# KiCad board RX8-7(WithoutOpAmps).kicad_pcb (continued)
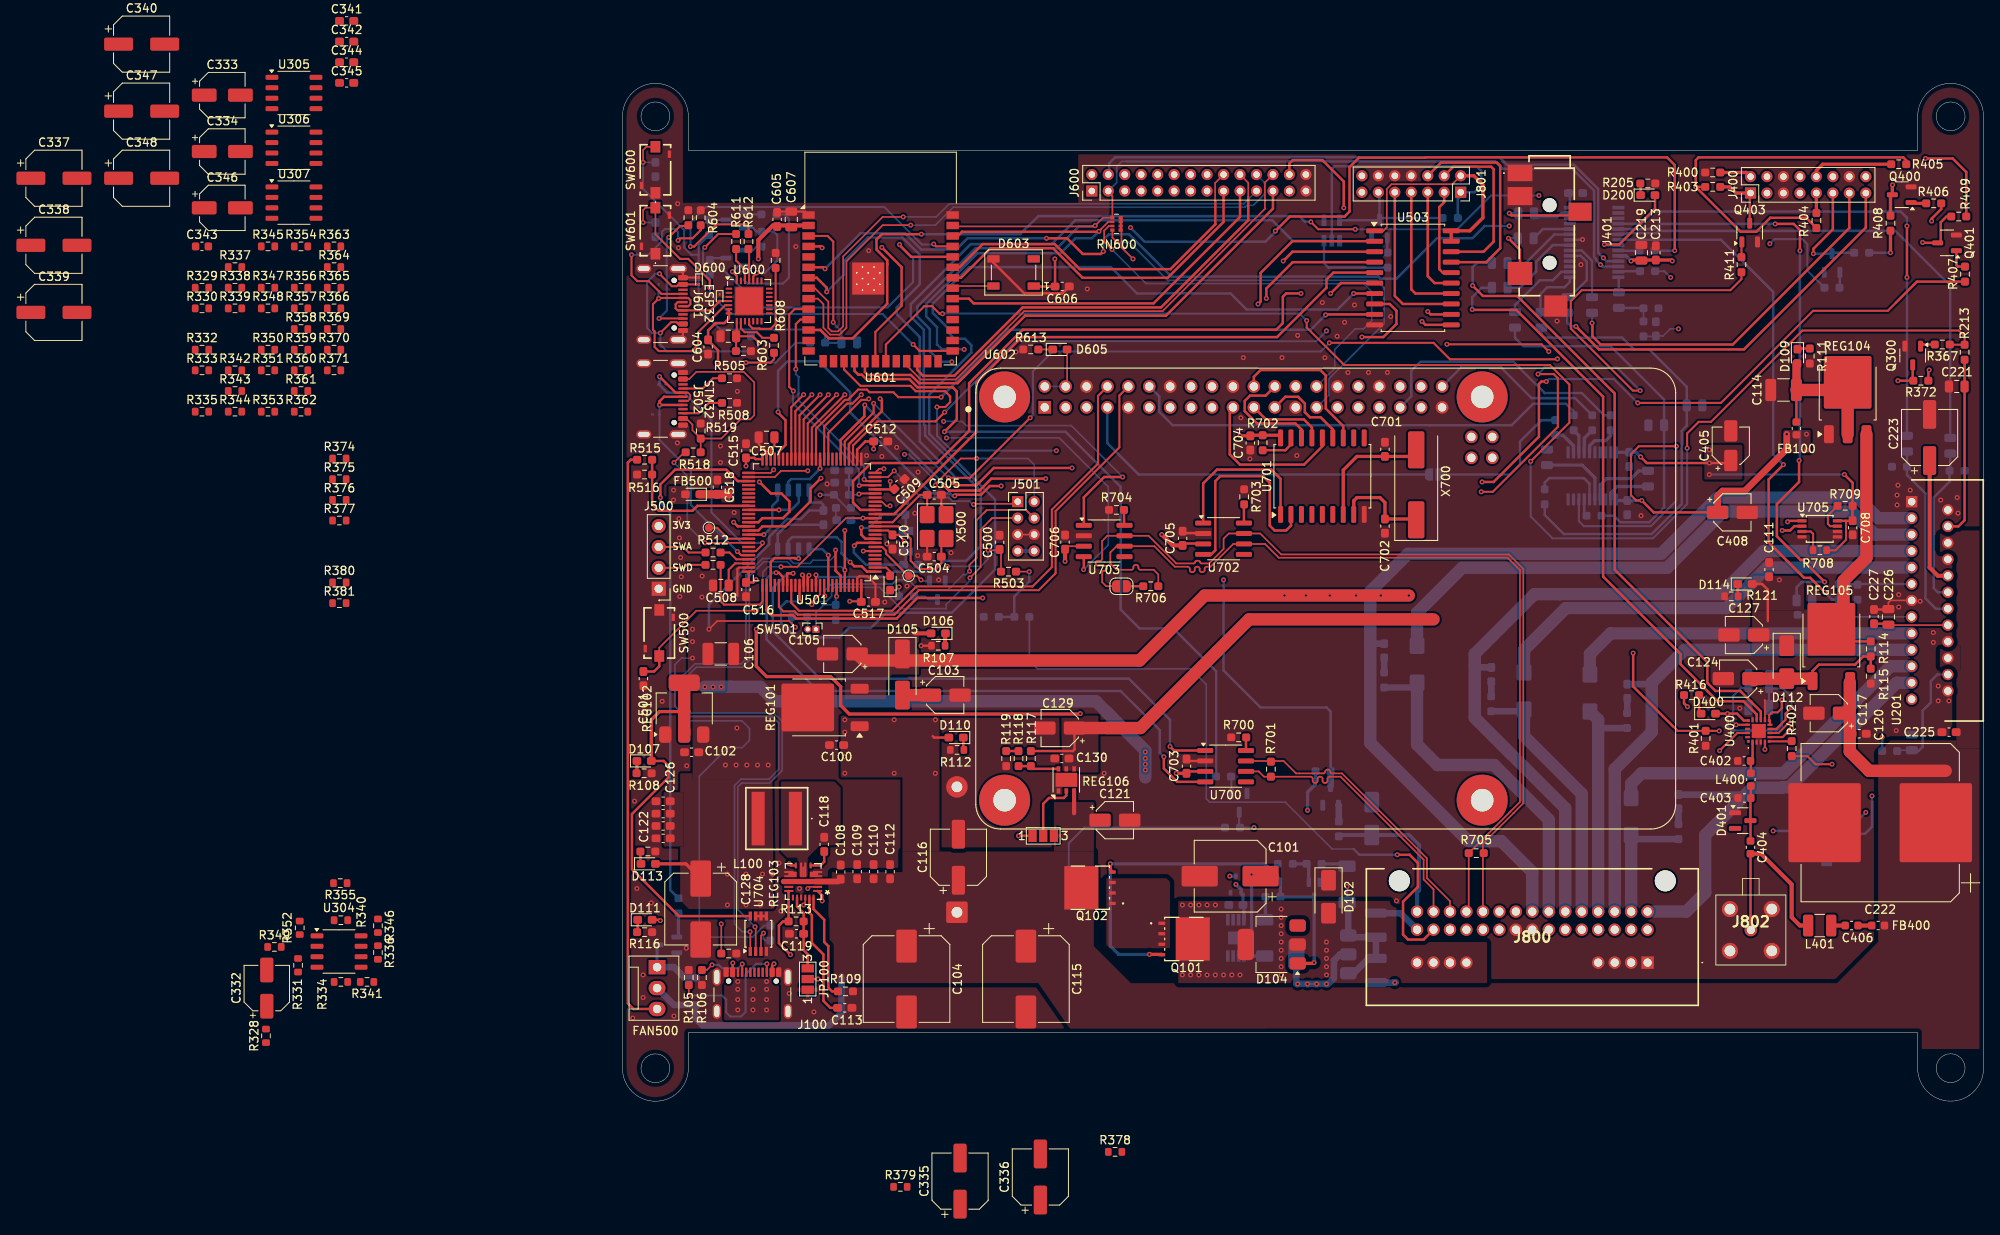
[diagram p0: board, top side]
## Routing (per net, layer and track width the routed paths; a pad name or vN(x,y) marks a point on that pad's centre or on a via; arc(x,y) is an arc through that point) (continued)
  Bottom w0.25: R609.1 21,92.14 18.6,89.74 v1(15,89.74)
  Bottom w0.3: v1(148.4,76.14) v1(132,76.14) ; v1(10.5,57.34) 10.5,60.34 17.83,67.67 17.83,68.58 19.99,70.74 21.65,70.74 22.68,71.77 C519.2 24.4,72.44 24.1,72.74 22.9,72.74 22.65,72.99 U502.8
  Bottom w0.4: v1(123.66,78.28) 123.1,78.84 C407.1 U401.20 ; v1(83.2,35.34) 83.2,37.54 84.18,38.52 R502.2 ; D501.3 v1(73.75,27.34)
  Bottom w1.5: 58.88,47.22 57.5,48.59 18.5,48.59 16.75,50.34 13.2,50.34 ; 58.88,47.22 59.5,46.59 ; 58.88,47.22 63.5,42.59 63.5,39.34 ; v1(12,50.34) 13.2,50.34 ; 13.2,50.34 v1(10,50.34)
  vias: v1(8.5,55.84) v1(11,50.34) v1(132,77.54)
P5V: length 335.1
  Top w0.2: REG103.18 22.2,24.04 v1(22,23.84) ; U503.1 92.41,105.76 92.82,106.17 92.82,110.85 93.4,111.42 100.78,111.42 J801.2 ; U703.3 54.12,67.43
  Top w0.3: R405.2 155.91,114.32 155.55,114.68 130.7,114.68 130.7,114.68 130.35,114.33 v1(130.35,111.09) ; 18.18,15.67 18.18,16.47 v1(18.4,16.69) ; R403.2 v1(130.35,111.09) ; v1(130.35,111.09) 135.8,105.64 137.7,105.64 139.4,107.34 143.75,107.34 R404.2 ; 76.32,80.92 C704.2 ; 70.77,67.76 68.25,67.76 ; v1(13.4,16.79) 13.38,16.77 13.38,15.67 ; C703.2 68.73,40.07 U700.3 ; 79.92,80.92 U701.18
  Top w0.4: C704.2 v1(75,80.84) ; C128.1 7.7,28.84 D113.2 ; v1(67.25,39.84) C703.2 ; U503.19 U503.20 102.91,105.76 104.5,107.34 104.5,111.34 103.4,112.44 J801.2 ; 79.92,80.92 76.32,80.92
  Top w0.5: C705.2 66.81,67.53 v1(65.5,68.84) ; C706.2 v1(53.75,65.59)
  In2.Cu w0.2: v1(18.25,23.84) v1(22,23.84)
  In2.Cu w0.3: 105.1,110.59 105.6,111.09 v1(130.35,111.09)
  In2.Cu w0.4: v1(75,80.84) 75,57.59 69,51.59 69,41.59 v1(67.25,39.84)
  In2.Cu w0.5: v1(65.5,68.84) 65.5,57.84 ; 53.25,56.59 53.75,57.09 v1(53.75,65.59) 52.53,65.59 51.27,66.85 J501.7
  In2.Cu w0.8: 120.5,88.94 126.4,88.94 134.5,80.84 134.5,76.34 127.75,69.59 127.75,51.59 106.5,30.34 J800.33 J800.18 J800.19
  In2.Cu w1.5: 120.5,88.94 112.7,88.94 105.1,96.54 105.1,111.44 104.1,112.44 J801.2
  Bottom w0.5: J501.8 J501.7
  vias: v1(12.5,40.84) v1(12.75,27.59) v1(12.75,23.84) v1(13.8,40.84) v1(13.9,45.34) v1(14,14.54) v1(14,13.59) v1(14,12.34) v1(14,11.09) v1(15,27.59) v1(15,23.84) v1(15.1,40.84) v1(15.85,13.59) v1(15.85,12.34) v1(15.85,11.09) v1(16.4,40.84) v1(16.75,23.84) v1(17,27.59) v1(17.5,14.54) v1(17.5,13.59) v1(17.5,12.34) v1(17.5,11.09) v1(17.7,40.84) v1(17.8,45.34) v1(18.25,27.59)
P8V: length 180.6
  Top w0.5: D106.2 35.5,56.84
  Top w1.5: C105.1 29.3,53.54 62.8,53.54 70.7,61.44 v1(95.5,61.44)
  In2.Cu w1.5: J801.1 101.8,95.24 109,88.04 109,73.74 96.7,61.44 v1(80.4,61.44)
  Bottom w0.3: R506.2 101.44,109.62 101.73,109.91 ; J801.1 103.5,110.44 104.3,111.24 104.3,113.04 103.75,113.59 86.45,113.59 86.15,113.29 U500.2
  vias: v1(83,61.44) v1(85.9,61.44) v1(89.1,61.44) v1(92.1,61.44)
VBAT: length 124.4
  Top w0.25: U501.6 v1(29.25,66.84)
  Top w0.4: v1(16.25,57.34) 16.25,52.84 17.5,51.59 25.28,51.59 26.5,50.37 26.5,48.09 27.55,47.04 55.55,47.04 v1(55.6,47.09)
  In2.Cu w0.4: v1(29.25,66.84) 29.2,66.79 27.55,66.79 26.5,67.84 21.75,67.84 20,66.09 20.03,66.06 20.03,63.32 21.25,62.09 29.5,62.09 29.75,61.84 29.75,60.34 29,59.59 18.5,59.59 v1(16.25,57.34) ; v1(74.5,26.34) 71.25,26.34 61,36.59 61,42.34 56.5,46.84 55.85,46.84 v1(55.6,47.09)
  Bottom w0.4: v1(74.5,26.34) 75.15,25.69 D501.1 75.36,25.13 C107.1 75.47,23.73 REG100.8
VBUS: length 18.6
  Top w0.2: R518.1 7.5,78.84 v1(6.25,77.59) ; U501.68 v1(10,67.84)
  Bottom w0.2: v1(6.25,77.59) 7.87,75.97 7.87,69.97 v1(10,67.84)
VBUS2: length 31
  Top w0.25: v1(4.6,93.34) 5.91,94.65 6.57,94.65 6.78,94.44 J601.A9 ; D600.2 J601.A4 6.8,99.24 6.59,99.03 5.98,99.03 4.5,100.52 v1(4.5,100.54)
  Bottom w0.25: R602.1 5.4,91.12 4.6,91.92 v1(4.6,93.34) 3.6,93.34 3,93.94 3,99.54 4,100.54 v1(4.5,100.54)
3P3: length 156.8
  Top w0.25: v1(123.8,72.98) 123.12,72.98 122.48,73.62 122.48,78.62 123.44,79.58 v1(127.99,79.58) ; v1(140.8,48.74) 140.8,47.74 140.3,47.24 139.6,47.24 139.26,46.91 U400.11 139.35,46.16 U400.10 ; R402.2 143.91,41.93 144.9,40.94 v1(146.9,40.94)
  Top w0.3: C408.1 125.24,71.54 v1(123.8,72.98) ; U400.16 136.19,46.25 135.35,47.09 v1(134.2,47.09) D400.2
  Top w0.8: v1(141.4,81.04) v1(141.4,79.24) 136.3,74.14 133.6,74.14 133,73.54 C408.1
  In2.Cu w0.25: v1(146.9,40.94) 147.35,40.94 148,41.59 ; 148,48.84 147.9,48.74 v1(140.8,48.74)
  In2.Cu w0.3: 148,41.59 150.75,41.59 153.25,39.09 153.25,35.84 152.5,35.09 v1(151,35.09)
  In2.Cu w0.8: 148,41.59 148,72.84 143.8,77.04 v1(143.8,81.04)
  Bottom w0.25: U401.8 116.15,70.48 116.77,69.87 124.9,69.87 127.99,72.96 v1(127.99,79.58)
  Bottom w0.3: v1(134.2,47.09) 134.2,45.54 134.7,45.04 140.2,45.04 140.8,45.64 v1(140.8,48.74) ; v1(151,35.09) 150.32,34.42 144.5,34.42
  Bottom w0.4: U401.1 120.84,72.98 C411.1 v1(123.8,72.98)
  vias: v1(143.8,79.14)
8P5: length 94.5
  Top w0.3: R114.1 148.3,55.87 REG105.2 ; 139.1,58.34 139.1,62.14 138.4,62.84 D114.2
  Top w0.4: v1(127.5,102.09) 127.39,102.21 C213.1 122.61,102.21 v1(122.5,102.09)
  Top w1.5: REG105.2 148.3,58.82 148.3,63.24 151.08,66.02 REG104.3
  In2.Cu w0.4: v1(140.5,63.34) 142.2,65.04 142.2,96.34 136.45,102.09 v1(127.5,102.09)
  Bottom w0.4: U200.24 121.88,102.72 v1(122.5,102.09)
9P5: length 59.2
  Top w0.3: C129.1 54.9,42.74 54.7,42.54 R117.2 ; 60.8,45.34 60.9,45.44
  Top w1.5: C129.1 58.8,45.34 ; 58.8,45.34 62.9,45.34 76.1,58.54 98.5,58.54 ; 58.8,45.34 60.8,45.34
+BAT: length 2.8
  Bottom w0.4: R104.2 78.09,22.13 D103.2
  vias: v1(68,23.84) v1(68,15.34) v1(69,23.84) v1(69,15.34) v1(70,23.84) v1(70,15.34) v1(71,23.84) v1(71,15.34) v1(72,23.84) v1(72,15.34) v1(73,15.34) v1(74,15.34) v1(75,15.34) v1(80,23.34) v1(80,22.34) v1(80,21.34) v1(80,20.34) v1(80,19.34) v1(80,18.34) v1(80,17.34) v1(80,16.34) v1(80,15.34) v1(85.5,19.34) v1(85.5,18.34) v1(85.5,17.34) v1(85.5,16.34) v1(85.5,15.34)
/AMPENABLE: length 109.5
  Top w0.3: v1(154.9,87.54) R372.1 156.7,87.62 Q300.1
  In2.Cu w0.3: J800.9 131.3,14.04 152.55,14.04 153.75,15.24 153.75,86.99 154.3,87.54 v1(154.9,87.54)
/ANT_IN: length 22.3
  Top w0.3: 137.21,20.8 137,21.01 C404.2
  Top w0.5: C404.2 138.28,30.07 142,26.34 142,22.34 143,21.34 L401.1
/Audio2/APSTATE: length 86.5
  Top w0.3: U601.18 28.17,88.74 28.65,88.27 29.07,88.27 29.59,87.74 34.82,87.74 35.82,86.74 40.1,86.74 40.6,86.24 40.6,82.84 v1(39.1,81.34)
  Bottom w0.3: v1(39.1,81.34) 53.8,81.34 60.5,74.64 60.5,59.74 62.8,57.44 66.9,57.44 72.1,52.24 72.1,39.64
/Audio3/CD_ENABLE: length 195.9
  Top w0.25: 154.66,97.03 153.67,96.04 144.6,96.04 133.4,84.84 v1(123.3,84.84)
  Top w0.3: 154.66,97.03 157.21,99.58 R407.1 ; v1(40.28,75.12) 40.56,74.84 43,74.84 45.1,76.94 v1(54.6,76.94) ; v1(112.2,87.44) 111.6,87.44 111.3,87.14 111.3,80.74 105.8,75.24 v1(104.4,75.24) ; U601.7 23.59,100.05 24.8,98.84 v1(24.8,98.34)
  In2.Cu w0.3: v1(104.4,75.24) 103,75.24 96.1,82.14 59.8,82.14 v1(54.6,76.94)
  Bottom w0.25: v1(123.3,84.84) 120.4,87.74 112.7,87.74 ; 112.7,87.74 112.6,87.74 ; 112.7,87.74 112.5,87.74 v1(112.2,87.44)
  Bottom w0.3: v1(40.28,75.12) 40.25,75.15 40.25,76.01 36.1,80.16 36.1,92.84 33.3,95.64 33.3,96.44 36.1,99.24 36.1,102.84 34,104.94 29.8,104.94 26.9,102.04 26.9,100.44 v1(24.8,98.34)
/Audio3/CDBUS+: length 168.6
  Top w0.25: R411.1 135.9,99.89 134.55,98.54 116.5,98.54 115.17,97.22 115.17,93.88 122.71,86.34 v1(123.6,86.34) ; v1(111.2,88.34) 113.1,88.34 113.6,87.84 113.6,81.94 105.7,74.04 v1(104.3,74.04) ; U601.17 26.91,88.91 28.9,86.92 34.97,86.92 35.62,86.26 39.18,86.26 39.8,85.64 39.75,85.59 39.8,85.54 39.8,84.94 39.2,84.34 v1(38.2,84.34)
  In2.Cu w0.25: v1(104.3,74.04) 103.53,74.04 96.1,81.47 62.13,81.47 56.6,75.94 53.6,75.94 52.7,76.84 v1(52.7,79.04)
  Bottom w0.25: v1(38.2,84.34) 38.2,80.85 40,79.04 v1(52.7,79.04) ; v1(123.6,86.34) 120.8,89.14 112,89.14 v1(111.2,88.34)
/Audio3/CDEJECT: length 146.3
  Top w0.25: v1(83.6,106.84) 84.5,105.94 v1(89,105.94)
  Top w0.3: 32.15,101.64 32.15,96.89 27.95,92.69 25.05,92.69 24.04,93.7 U601.12 ; 32.15,101.64 32.15,102.17 30.85,103.47 30.85,104.69 31.5,105.34 v1(36.3,105.34) ; 32.15,101.64 32.15,101.88
  In2.Cu w0.25: v1(139.35,104.19) 132.05,104.19 125.8,110.44 111.7,110.44 v1(111.3,110.04)
  Bottom w0.25: v1(139.35,104.19) 139.9,104.74 143.3,104.74 143.9,104.14 143.9,100.92 R410.1 ; v1(111.3,110.04) 105.47,110.04 101.37,105.94 v1(89,105.94)
  Bottom w0.3: v1(36.3,105.34) 48.3,105.34 50.5,107.54 82.2,107.54 82.9,106.84 v1(83.6,106.84)
/Audio3/CDMUTE: length 155.5
  Top w0.3: v1(159,106.94) 159,107.24 160.16,108.41 R406.1 ; v1(51.5,104.84) 54,104.84 55.9,102.94 58.1,102.94 v1(58.4,103.24) ; U601.6 24.42,101.32 v1(24.6,101.14)
  In2.Cu w0.3: v1(107.7,106.34) 108.1,105.94 127.1,105.94 129.5,103.54 140.7,103.54 141.5,104.34 154.9,104.34 156.1,103.14 156.7,103.14 ; 156.7,103.14 156.3,103.14 ; 156.7,103.14 158.3,103.14 159,103.84 v1(159,106.94)
  Bottom w0.3: v1(51.5,104.84) 41.9,104.84 40.55,103.49 36.28,103.49 34.33,105.44 28.9,105.44 v1(24.6,101.14) ; v1(107.7,106.34) 104.7,106.34 103.2,104.84 98.9,104.84 94,99.94 92.04,99.94 91.79,100.19 66.65,100.19 61.5,105.34 59.1,105.34 58.4,104.64 v1(58.4,103.24)
/Audio3/FMGPIO1: length 34.3
  Top w0.25: U400.19 135.4,44.74 v1(133.25,42.59)
  In2.Cu w0.3: v1(151.75,37.09) 151.75,38.09 150.5,39.34 134.75,39.34 133.25,40.84 v1(133.25,42.59)
  Bottom w0.3: v1(151.75,37.09) 151.75,33.34 150.91,32.51 R412.1
/Audio3/I2S_BCLK: length 56.1
  Bottom w0.3: U602.12 65.2,85.62 65.2,83.74 66.8,82.14 98,82.14 98.02,82.12 107.98,82.12 110.6,84.74 114.6,84.74 115.53,83.82
/Audio3/I2S_DOUT: length 21.6
  Bottom w0.3: U602.40 101.84,89.14 106.7,89.14 110.41,85.43 115.69,85.43 R418.1
/Audio3/I2S_LRCLK: length 32.4
  Bottom w0.3: U602.35 95.8,85.64 95.8,88.74 96.9,89.84 108.2,89.84 112,86.04 116.5,86.04 119.2,83.34 R417.1
/Audio3/I2S_SCLK: length 18.4
  Bottom w0.3: JP600.2 107.8,76.14 109,77.34 109,80.14 111.61,82.76 R420.1
/Audio3/MediaBUS+: length 7.7
  Top w0.25: J400.1 136.9,110.24 Q403.1
  Top w0.4: J400.1 135.25,110.34 134.5,111.09 R403.1
/Audio3/MediaBUS-: length 3.9
  Top w0.4: R400.2 136.5,112.84 J400.2
/Audio3/MediaCLK: length 2.4
  Top w0.4: R404.1 J400.9
/Audio3/MediaDO: length 10.1
  Top w0.4: 154,113.84 145.75,113.84 145,113.09 J400.10
/Audio3/MediaEJECT: length 26.2
  Top w0.3: v1(157.9,104.34) 157.95,104.29 160.1,104.29 160.1,106.79 160.8,107.49 R409.1
  In2.Cu w0.3: J400.7 143,108.74 143.5,108.24 156.7,108.24 157.9,107.04 v1(157.9,104.34)
/Audio3/MediaENABLE: length 13.3
  Top w0.3: J400.11 147,105.94 144.64,103.58 v1(144.64,102.98)
  Bottom w0.3: v1(144.64,102.98) Q402.1 147.01,103.09 R414.1
/Audio3/MediaMUTE: length 14.5
  Top w0.4: 154,107.84 154,109.92 154.22,110.14 154.22,111.32 v1(154.25,111.34)
  In2.Cu w0.4: v1(154.25,111.34) 154.25,113.34 153.65,113.94 147.35,113.94 147,113.59 J400.12
/Audio3/RF_IN: length 3.9
  Top w0.3: 137.26,43.63 137.26,41.6 C402.2 137.04,41.3 L400.1
/Audio3/Tuner_RST: length 241.3
  Top w0.25: 127.62,45.52 128.14,45.01 R401.2 132.34,45.01 132.35,44.99 v1(133.2,44.99) ; U400.5 v1(138.75,42.74)
  Top w0.3: 127.62,45.52 122.75,50.39 v1(122.75,54.44) ; v1(24.25,103.69) 24.08,103.86 U601.4
  In2.Cu w0.25: v1(138.75,42.74) 137.3,44.19 134,44.19 v1(133.2,44.99)
  In2.Cu w0.3: v1(122.75,54.44) 122.75,53.24 113.65,44.14 94.7,44.14 87.6,37.04 68.7,37.04 65,40.74 65,46.49 63.75,47.74 26.4,47.74 17.95,39.29 11.05,39.29 5.6,44.74 5.6,70.38 5.37,70.61 5.37,99.77 5.1,100.04 5.15,100.09 5.15,101.29 6.05,102.19 9.29,102.19 10.19,103.09 23.65,103.09 v1(24.25,103.69)
/Audio/AMP_MUTE: length 218.1
  Top w0.25: 33.9,96.64 30.72,93.46 30.72,89.91
  Top w0.3: 33.9,96.64 33.9,101.34 v1(31.5,103.74) ; v1(127.8,103.34) 127.8,113.74 126.86,114.68 97.54,114.68 97.5,114.64 89.45,114.64 88.3,113.49 88.3,108.09 87.7,107.49 81.05,107.49 v1(79.29,105.73)
  In2.Cu w0.3: v1(127.8,103.34) 128.4,102.74 138.2,102.74 141.5,99.44 151.8,99.44 152.99,98.26 v1(152.99,44.23) ; v1(31.5,103.74) 31.8,103.44 56.58,103.44 58.24,105.1 60.66,105.1 v1(61.7,106.14)
  Bottom w0.3: R212.1 v1(152.99,44.23) ; R206.2 v1(127.8,103.34) ; v1(61.7,106.14) 63.4,104.44 78.1,104.44 79.29,105.63 v1(79.29,105.73)
/Audio/AUXIN_L: length 6
  Top w0.3: v1(107.6,104.84) 109,103.44 J401.2
  Bottom w0.3: C206.1 v1(107.6,104.84)
/Audio/AUXIN_R: length 10
  Top w0.3: J401.3 115.85,107.62 107.97,107.62 v1(107.7,107.89)
  Bottom w0.3: C207.1 v1(107.7,107.89)
/Audio/BEEP_OUT: length 4.6
  Bottom w0.2: R514.2 R209.1
  Bottom w0.3: R209.1 123.95,96.39 C214.2
/Audio/CDIN_L: length 49.1
  Top w0.3: J400.15 151,106.14 136.2,91.34 118.6,91.34 v1(115.8,94.14)
  Bottom w0.3: C202.1 114.75,94.59 115.2,94.14 v1(115.8,94.14)
/Audio/CDIN_R: length 44.6
  Top w0.3: v1(117.75,94.54) 117.8,94.49 117.8,92.94 118.8,91.94 134.85,91.94 149,106.09 J400.13
  Bottom w0.3: v1(117.75,94.54) C203.1
/Audio/DAC_OUTL: length 56
  Bottom w0.3: C200.1 111.6,93.19 112.01,92.78 121.41,92.78 122.86,91.33 124.72,91.33 129.25,86.8 C413.2 129.25,82.06 128.64,81.45 128.64,72.56 124.99,68.91 114.32,68.91 112,71.23 R421.2
/Audio/DAC_OUTR: length 44.2
  Bottom w0.3: R422.2 120.4,71.14 121.2,70.34 124.7,70.34 126.5,72.14 126.5,85.24 120,91.74 109.4,91.74 108.4,92.74 C201.1
/Audio/FMOUT_L: length 73.5
  Top w0.3: v1(103.2,96.19) 103.25,96.14 108.55,96.14 119.1,85.59 119.1,63.74 128.5,54.34 128.5,53.09 133,48.59 136.15,48.59 137.75,46.99 U400.14
  Bottom w0.3: v1(103.2,96.19) 103.2,97.69 104.35,98.84 C204.1
/Audio/FMOUT_R: length 76.2
  Top w0.3: U400.13 138.25,47.34 135.75,49.84 132.74,49.84 131.75,50.84 131.75,53.34 120.5,64.59 120.5,85.99 108.65,97.84 104.5,97.84 v1(103.25,99.09)
  Bottom w0.3: v1(103.25,99.09) 103.25,101.34 103.75,101.84 C205.1
/Audio/IN1: length 8.6
  Bottom w0.3: U201.11 C215.2
/Audio/IN2: length 19.1
  Bottom w0.3: U201.12 159.75,61.84 159.25,62.34 159.25,73.34 161.18,75.27 R210.1 161.25,76.67 C216.2
/Audio/IN3: length 13.9
  Bottom w0.2: C217.2 144.55,60.79 R208.1 146.25,59.09 146.5,58.84 U201.15
/Audio/IN4: length 22
  Bottom w0.3: U201.14 159.5,59.84 158.25,61.09 158.25,73.84 156,76.09 R207.1 C218.2
/Audio/LMOUT: length 134.6
  Top w0.25: v1(113.55,90.19) 113.5,90.14 100.5,90.14 98.5,92.14 v1(85.85,92.14) ; v1(49.52,83.04) 42.22,75.74 v1(39.6,75.74) ; v1(30.5,84.79) 30.5,83.67 27,80.17 U501.30
  In2.Cu w0.25: 127.3,100.04 130.3,97.04 130.3,92.29 128.45,90.44 113.8,90.44 v1(113.55,90.19)
  Bottom w0.25: v1(127.3,100.09) 126.55,100.84 R204.2 ; v1(85.85,92.14) 84.8,91.09 52.25,91.09 49.84,88.68 49.84,83.36 v1(49.52,83.04) ; v1(30.5,84.79) 39.55,75.74 v1(39.6,75.74)
/Audio/OUT1+: length 54
  Bottom w1.5: U201.9 139,64.84 134.07,59.91 114.57,59.91 109.5,54.84 L200.1
/Audio/OUT1-: length 96.2
  Bottom w0.8: 103.5,52.84 103.64,52.71 C208.2
  Bottom w1.5: J800.29 114.5,35.59 103.5,46.59 103.5,54.34 110.76,61.6 113.85,61.6 113.87,61.61 133.37,61.61 138.59,66.84 U201.7
/Audio/OUT2+: length 70.3
  Bottom w1.5: U201.5 152.09,68.84 149.3,71.64 133.7,71.64 126.87,64.8 101.96,64.8 96.5,59.34 L201.1
/Audio/OUT2-: length 122.7
  Bottom w0.8: 90.82,55.84 91.07,55.59 C209.2
  Bottom w1.5: U201.3 152.5,70.84 150,73.34 133,73.34 126.17,66.51 95.4,66.51 90.82,61.94 90.82,43.52 102.75,31.59 106.75,31.59 110.5,27.84 J800.31
/Audio/OUT3+: length 42.6
  Bottom w1.5: L203.1 117.5,54.34 120,56.84 U201.17
/Audio/OUT3-: length 65.9
  Bottom w0.8: 125,50.84 124.83,50.67 C212.2
  Bottom w1.5: U201.19 129,54.84 125,50.84 125,44.84 120.5,40.34 J800.26
/Audio/OUT4+: length 41.7
  Bottom w1.5: U201.21 154,52.84 141,39.84 123.75,39.84 122.5,38.59 L202.1
/Audio/OUT4-: length 56.1
  Bottom w0.8: 136.62,37.47 136.41,37.26 C211.2
  Bottom w1.5: J800.24 129.2,23.04 131.5,25.34 131.5,32.34 137.25,38.09 140.85,38.09 140.9,38.14 141.7,38.14 149.41,45.84 149.75,45.84 154.75,50.84 U201.23
/Audio/OUT_FL+: length 31.5
  Bottom w0.8: L200.2 109.29,47.38 R200.1
  Bottom w1.5: J800.28 116.5,37.34 109.5,44.34 L200.2
/Audio/OUT_FR+: length 15.3
  Bottom w0.8: L202.2 123,31.84 R202.1
  Bottom w1.5: L202.2 J800.25
/Audio/OUT_RL+: length 42.7
  Bottom w0.8: 92.5,50.27 95.93,50.27 L201.2
  Bottom w1.5: L201.2 96.5,43.34 99,40.84 105.87,40.84 112.5,34.21 J800.30
/Audio/OUT_RR+: length 28.2
  Bottom w0.8: R203.1 118.5,45.34
  Bottom w1.5: L203.2 118.5,46.34 J800.27
/AudioPilot: length 53.5
  In2.Cu w0.25: J800.13 116.5,19.54 115.7,18.74 94.1,18.74 93.3,19.54 93.3,23.94 87,30.24 79.7,30.24 v1(76.7,33.24)
  Bottom w0.25: R373.1 v1(76.7,33.24) ; 75,33.34 74.9,33.44 Q301.1
/CAN1H: length 35
  Top w0.2: J800.36 100.5,24.31 97.7,27.11 97.7,29.51 87.38,39.83 86.16,39.83 arc(86.01,39.9) 85.95,40.05 arc(85.88,40.2) 85.73,40.27 85.56,40.27 arc(85.41,40.2) 85.35,40.05 arc(85.28,39.9) 85.13,39.83 81.8,39.83 80.29,41.34 U700.7
/CAN1L: length 35
  Top w0.2: U700.6 77.27,40.07 77.91,39.43 83.58,39.43 arc(83.75,39.36) 83.82,39.19 83.82,38.92 arc(83.89,38.75) 84.06,38.68 84.18,38.68 arc(84.35,38.75) 84.42,38.92 84.42,39.19 arc(84.49,39.36) 84.66,39.43 84.78,39.43 arc(84.95,39.36) 85.02,39.19 85.02,38.92 arc(85.09,38.75) 85.26,38.68 85.38,38.68 arc(85.55,38.75) 85.62,38.92 85.62,39.19 arc(85.69,39.36) 85.86,39.43 87.21,39.43 97.3,29.34 97.3,26.94 98.5,25.74 J800.37
/CAN2H: length 109.9
  Top w0.2: J800.34 104.5,31.3 105.97,32.77 105.98,32.77 108.21,35 108.21,35.01 109.4,36.2 109.4,64.69 107.66,66.44 80,66.44 77.46,68.98 U702.7 73.63,68.98 73,68.34 73,67.09 71.25,65.34 70.31,65.34 arc(70.19,65.39) 70.15,65.51 arc(70.1,65.62) 69.98,65.67 69.71,65.67 arc(69.59,65.62) 69.55,65.51 arc(69.5,65.39) 69.38,65.34 67.25,65.34 63.89,68.7 U703.7 58.88,68.7 58.25,68.07 58.25,65.9 arc(58.18,65.73) 58.01,65.66 57.71,65.66 arc(57.54,65.59) 57.47,65.42 57.47,65.3 arc(57.54,65.13) 57.71,65.06 58.59,65.06 arc(58.76,64.99) 58.83,64.82 58.83,64.7 arc(58.76,64.53) 58.59,64.46 58.49,64.46 arc(58.32,64.39) 58.25,64.22 58.25,63.07 58.75,62.57 JP702.1
/CAN2L: length 109.5
  Top w0.2: J800.35 102.78,23.32 R705.2 105.8,33.17 105.82,33.17 107.81,35.16 107.81,35.18 109,36.37 109,64.53 107.49,66.03 79.71,66.03 78.03,67.71 U702.6 74.18,67.71 71.42,64.94 70.94,64.94 arc(70.77,64.87) 70.7,64.7 70.7,64.52 arc(70.63,64.35) 70.46,64.28 70.34,64.28 arc(70.17,64.35) 70.1,64.52 70.1,64.7 arc(70.03,64.87) 69.86,64.94 69.74,64.94 arc(69.57,64.87) 69.5,64.7 69.5,64.52 arc(69.43,64.35) 69.26,64.28 69.14,64.28 arc(68.97,64.35) 68.9,64.52 68.9,64.7 arc(68.83,64.87) 68.66,64.94 67.08,64.94 64.59,67.43 U703.6 60,67.43 59.25,66.68 59.25,65.32 60,64.57 61.82,64.57 arc(61.99,64.64) 62.06,64.81 62.06,64.93 arc(62.13,65.1) 62.3,65.17 62.42,65.17 arc(62.59,65.1) 62.66,64.93 62.66,64.81 arc(62.73,64.64) 62.9,64.57 64.5,64.57 65.07,63.99 R706.1
/Connectors/Illumination+: length 18.5
  Bottom w0.5: J800.38 96.5,25.34 96.75,25.59 96.75,31.09 95.5,32.34 D500.2 87.16,32.34 R501.1
/Connectors/LCD_AC: length 21
  Top w0.3: J801.4 100.9,113.54 105.5,113.54 105.8,113.24 105.8,104.44 104.57,103.22 U503.18
/Connectors/LCD_BACKLIGHT: length 15.5
  Bottom w0.3: U500.5 91.8,107.04 Q501.1 ; Q501.1 92.07,107.31 R506.1 ; Q501.1 91.93,109.71 91.73,109.91
/Connectors/LCD_CS: length 13.4
  Top w0.3: 100.65,99.41 98.63,99.41 97.8,100.24 J801.5
/Connectors/LCD_EN: length 19.9
  Top w0.3: J801.9 93.8,97.84 94.78,96.87 100.65,96.87
/Connectors/LCD_MOSI: length 16.9
  Top w0.3: U503.14 96.31,98.14 95.8,98.64 J801.7
/Connectors/LCD_RS: length 11.2
  Top w0.3: J801.3 99.8,109.24 99.2,108.64 99.2,101.1 99.63,100.68 U503.16
/Connectors/LCD_SCK: length 26.3
  Top w0.3: 100.65,101.95 104.91,101.95 106.6,103.64 106.6,113.64 106.2,114.04 99.4,114.04 J801.6
/Connectors/WheelButton2: length 84.7
  Top w0.3: v1(94.1,29.94) 95.6,29.94 96.6,28.94 96.6,26.04 94.8,24.24 94.8,20.24 95.4,19.64 97.3,19.64 J800.22
  Bottom w0.2: 88.8,30.64 86.2,30.64 80.5,36.34 71.3,36.34 70.9,36.74 70.9,50.64 69,52.54 50.4,52.54 49.4,53.54 49.41,53.56 R520.1
  Bottom w0.3: 88.8,30.64 89.5,29.94 v1(94.1,29.94)
/MCU1/1Hz_LED: length 2.5
  Top w0.25: U501.2 32.03,64.84 32.5,64.37 D504.2
/MCU1/AC_MODE: length 107.1
  Top w0.3: U503.2 81.34,104.49 77.5,100.64 77.5,97.16 v1(77.19,96.85) ; U501.86 22,63.94 21.98,63.96 21.87,63.96 v1(21.85,63.94)
  In2.Cu w0.3: v1(21.85,63.94) 21.85,64.52 22.52,65.19 25.06,65.19 27.11,63.14 29.94,63.14 31.24,61.84 39.2,61.84 41,63.64 41,66.13 41.5,66.64 41.5,87.64 42,88.14 42,88.69 43.65,90.34 50.25,90.34 51.4,91.49 70.61,91.49 72.31,93.19 73.74,93.19 77.19,96.64 v1(77.19,96.85)
/MCU1/Backlight_PWM: length 122
  Top w0.3: U501.89 v1(23.5,63.94)
  Bottom w0.3: R504.1 85.76,101.29 85.2,101.84 U500.3 81.4,104.54 78.9,107.04 55,107.04 52.1,104.14 42.69,104.14 42.3,104.14 35,96.84 35,95.34 36.6,93.74 36.6,82.24 36.75,82.09 36.75,80.89 43.5,74.13 43.5,67.43 41.72,65.65 39.06,65.65 37.75,64.34 33,64.34 32.35,63.69 23.75,63.69 v1(23.5,63.94)
/MCU1/BOOT0: length 7.3
  Top w0.3: U501.94 v1(26,61.34)
  Bottom w0.2: SW501.1 23.5,59.34 24.46,60.31 R510.2
  Bottom w0.3: v1(26,61.34) 25.9,61.24 25.9,60.26
/MCU1/CAN1_RXD: length 73.8
  Top w0.3: U501.81 19.5,63.69 18.98,64.22 v1(18.65,64.22) ; U700.4 67.37,38.8 65.75,40.42 v1(65.75,41.84)
  Bottom w0.3: v1(18.65,64.22) 18.25,64.22 17.5,63.47 17.5,56.09 23.75,49.84 60.5,49.84 65.25,45.09 65.25,42.34 v1(65.75,41.84)
/MCU1/CAN1_TXD: length 71.1
  Top w0.3: U700.1 66.98,42.61 v1(66.5,43.09) ; v1(20.73,64.14) 20.05,64.14 20,64.09 U501.82
  Bottom w0.3: v1(20.73,64.14) 20.05,64.14 18.25,62.34 18.25,57.09 24,51.34 61.5,51.34 66.5,46.34 v1(66.5,43.09)
/MCU1/CAN2_RXD: length 62.9
  Top w0.2: U501.52 18.5,75.84 19.25,76.59 v1(22.5,76.59)
  Top w0.3: v1(56,64.59) 56.03,64.62 U703.4
  In2.Cu w0.2: v1(22.5,76.59) 22.5,79.84 23.25,80.59 38.5,80.59 38.51,80.58 v1(39.35,80.58)
  Bottom w0.2: v1(39.35,80.58) 39.36,80.59 53.05,80.59 59,74.64 59,67.59 v1(56,64.59)
/MCU1/CAN2_TXD: length 60
  Top w0.2: v1(18.36,76.72) 18.36,76.7 18,76.34 U501.51
  Top w0.3: U703.1 56.03,73.37 58.5,75.84 v1(60.75,75.84)
  In2.Cu w0.2: v1(39,82.59) 37.47,81.07 22.72,81.07 18.38,76.72 v1(18.36,76.72)
  Bottom w0.2: v1(60.75,75.84) 54.5,82.09 41.75,82.09 41.25,82.59 v1(39,82.59)
/MCU1/CCU_RX: length 36.4
  Top w0.3: U503.11 97.51,94.33 v1(97.1,94.74) ; J600.26 81,113.94 81.4,114.34 85,114.34 87.6,111.74 v1(87.6,108.54)
  In2.Cu w0.3: v1(97.1,94.74) 98.4,94.74 99.2,95.54 99.2,96.84 87.6,108.44 v1(87.6,108.54)
/MCU1/CCU_TX: length 32.8
  Top w0.3: U503.12 98.15,95.6 v1(97.8,95.94)
  In2.Cu w0.3: v1(97.8,95.94) 89.1,104.64 78.78,104.64 78.35,105.07 78.35,107.94 J600.25
/MCU1/ESP32_RX: length 28.9
  Top w0.25: v1(20.75,86.29) 20.25,86.79 20.25,95.59 20.9,96.24 U601.10 ; U501.22 28.8,74.84 v1(28.75,74.8)
  Bottom w0.25: v1(28.75,74.8) 28.7,74.85 28.7,76.79 28.36,77.13 28.36,77.15 28.04,77.47 28.02,77.47 20.7,84.79 20.7,86.24
/MCU1/ESP32_TX: length 25.5
  Top w0.25: U601.11 21.6,94.97 21.05,94.42 v1(21.05,88.94) ; U501.23 29.55,75.34 v1(29.35,75.54)
  Bottom w0.25: v1(21.05,88.94) 21.05,88.34 21.4,87.99 21.4,86.06 21.37,86.03 21.37,85.17 29.35,77.19 v1(29.35,75.54)
/MCU1/FAN_TACHO: length 17.7
  Top w0.3: R515.2 R516.1 3.6,72.54 4.4,71.74 8.5,71.74 9.1,72.34 U501.59
/MCU1/Illum_IN: length 102.1
  Top w0.3: v1(51.4,75.64) 44.8,75.64 43.35,74.19 39.65,74.19 v1(39,74.84) ; v1(29.43,84.59) 29.38,84.53 29.38,83.22 26.5,80.34 U501.31
  In2.Cu w0.3: v1(51.4,75.64) 52.45,74.59 53.25,74.59 54.5,73.34 54.5,69.59 56.75,67.34 63,67.34 65.5,69.84 68.5,69.84 73,65.34 v1(73,63.34)
  Bottom w0.3: v1(39,74.84) 39,75.02 v1(29.43,84.59) ; R502.1 86,47.34 85.5,47.84 77.5,47.84 73,52.34 v1(73,63.34)
  Bottom w0.8: Q500.1 R502.1
/MCU1/MT1_UH: length 70.7
  Top w0.25: U501.39 22.5,82.34 v1(26,85.84)
  In2.Cu w0.25: J600.9 65,107.54 66,106.54 66,99.59 64.43,98.02 36.08,98.02 33.75,95.69
  In2.Cu w0.3: v1(26,85.84) 26,93.13 27.91,95.04 33.11,95.04 33.75,95.69
/MCU1/MT1_UL: length 72.7
  Top w0.25: v1(27,85.84) 23,81.84 U501.38
  In2.Cu w0.2: J600.10 65.98,111.62 65.98,109.67
  In2.Cu w0.3: 65.98,109.67 65.98,107.47 66.9,106.54 66.9,99.24 65.2,97.54 36.61,97.54 33.31,94.24 29.2,94.24 27,92.04 v1(27,85.84)
/MCU1/MT1_VH: length 72
  Top w0.25: U501.41 21.5,83.34 v1(24,85.84)
  In2.Cu w0.3: J600.7 63,107.84 64.75,106.09 64.75,101.09 63.5,99.84 53.5,99.84 53.12,99.47 35.12,99.47 32.1,96.44 24.6,96.44 24,95.84 v1(24,85.84)
/MCU1/MT1_VL: length 73.3
  Top w0.25: U501.40 22,82.84 v1(25,85.84)
  In2.Cu w0.2: 64,109.24 64,111.59 J600.8
  In2.Cu w0.3: 64,109.24 64,107.74 65.38,106.36 65.38,100.22 64,98.84 57.8,98.84 57.3,99.34 55.3,99.34 54.6,98.64 35.3,98.64 32.4,95.74 27.9,95.74 25,92.84 v1(25,85.84)
/MCU1/MT1_WH: length 71.7
  Top w0.25: U501.43 20.5,84.34 v1(22,85.84)
  In2.Cu w0.3: J600.5 61,108.09 63.25,105.84 63.25,102.09 62.5,101.34 34.9,101.34 31.25,97.69 23.82,97.69 22,95.87 v1(22,85.84)
/MCU1/MT1_WL: length 74.5
  Top w0.25: U501.42 21,83.84 v1(23,85.84)
  In2.Cu w0.2: J600.6 62.02,111.57 62.02,108.32
  In2.Cu w0.3: v1(23,85.84) 23,96.16 23.88,97.04 31.6,97.04 35.15,100.59 63,100.59 64,101.59 64,105.84 62.02,107.82 62.02,108.32
/MCU1/MT2_UH: length 90.6
  Top w0.3: U501.63 16.5,70.34 17,70.84 19.5,70.84 20.28,71.62 20.28,72.87 19.3,73.84 18.02,73.84 v1(16.62,75.24)
  In2.Cu w0.3: v1(16.62,75.24) 16.62,78.27 21,82.64 30.21,82.64 41.31,93.74 68.5,93.74 71,96.24 J600.15
/MCU1/MT2_UL: length 66.4
  Top w0.3: v1(31.29,85.35) 31.5,85.14 31.5,83.84 27.5,79.84 U501.29
  In2.Cu w0.3: v1(31.29,85.35) 31.3,85.36 31.3,86.64 40,95.34 67.5,95.34 69.4,97.24 69.4,107.54 69,107.94 J600.13
